# KiCad board register-motherboard.kicad_pcb (continued)
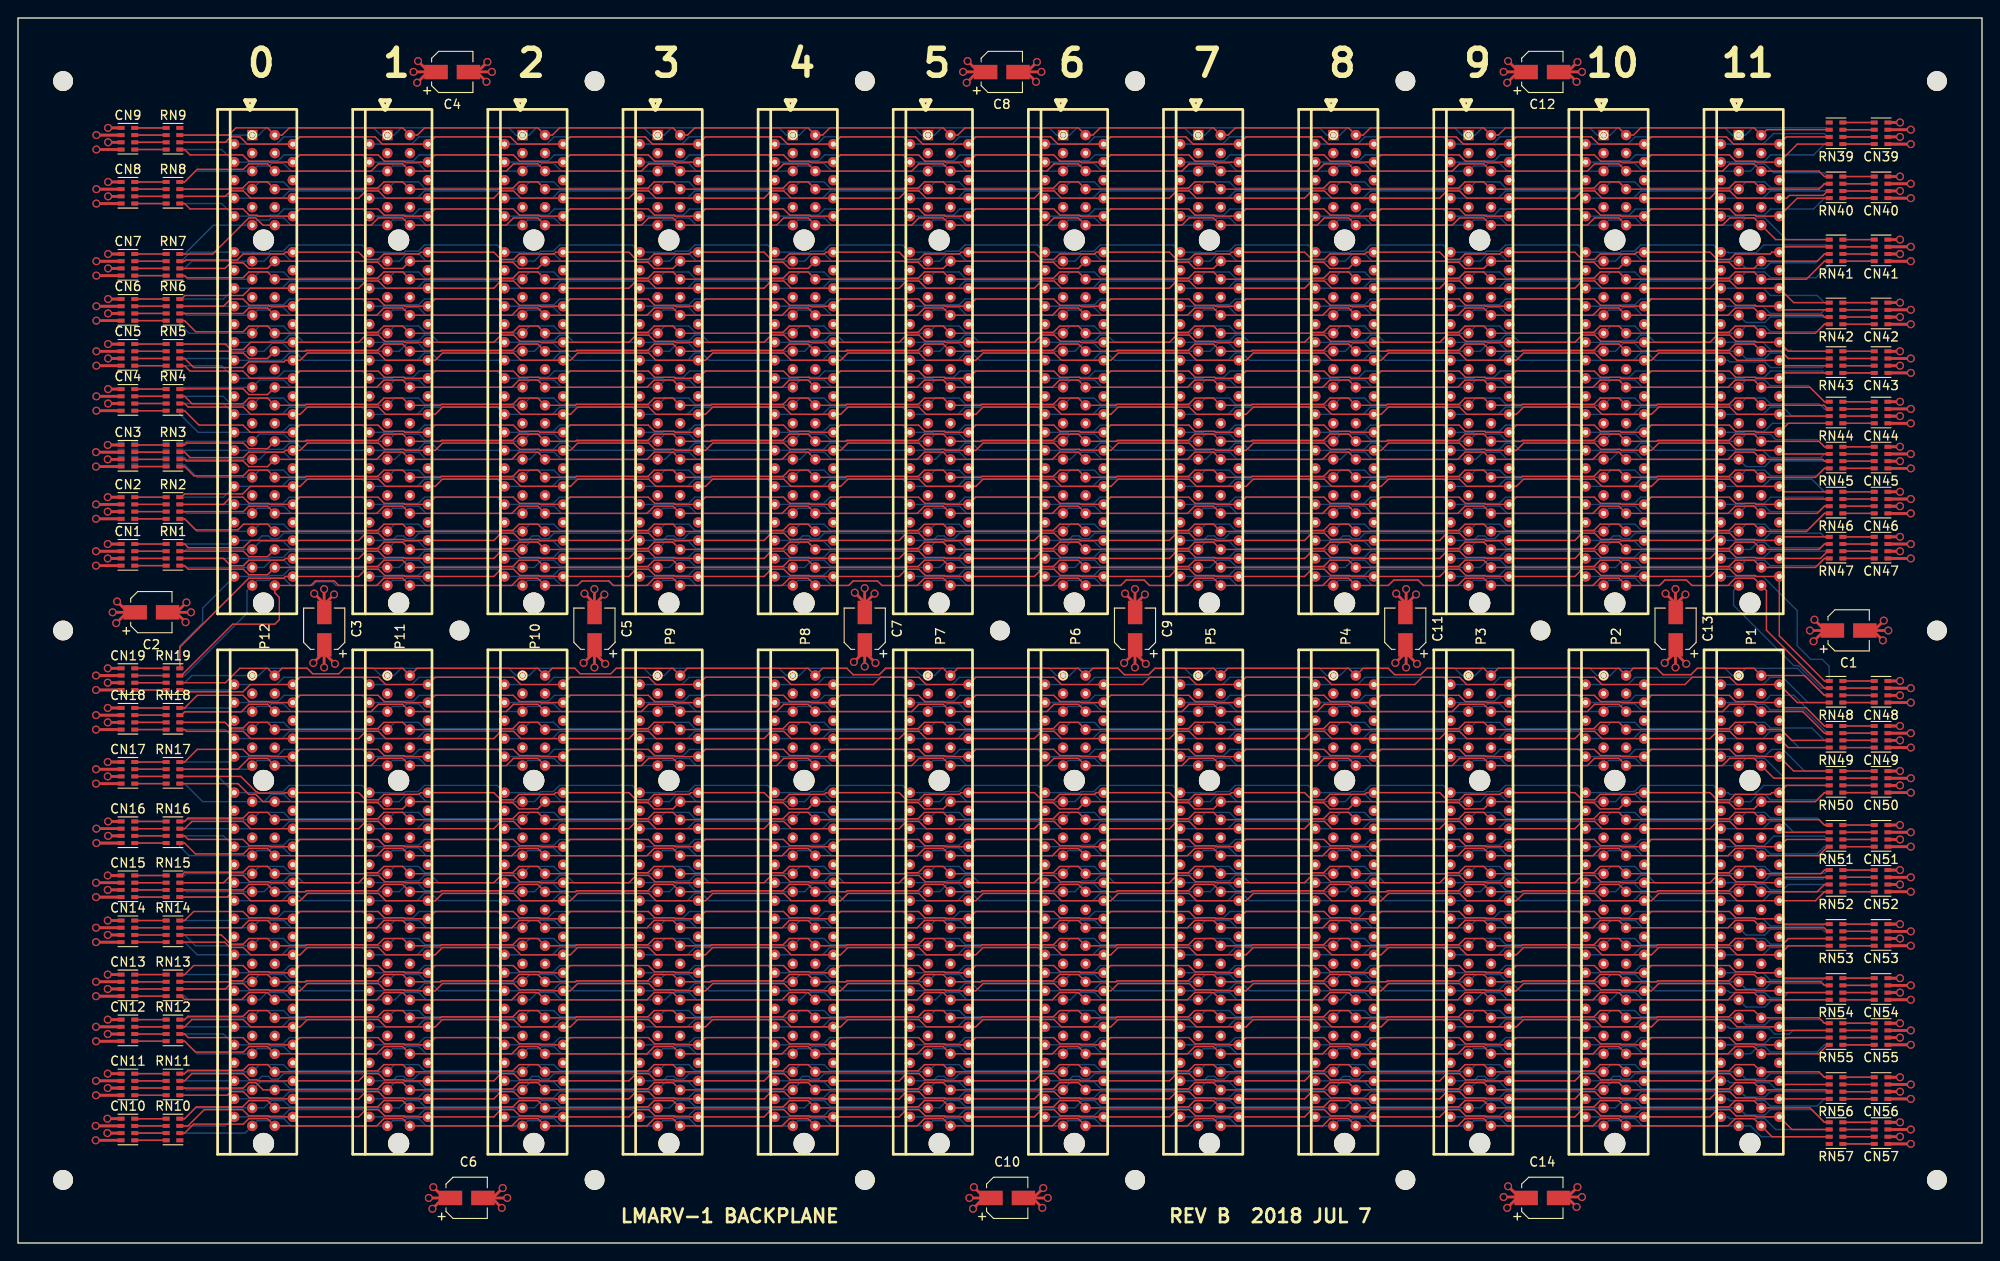
[diagram p0: board, top side]
## Routing (per net, layer and track width the routed paths; a pad name or vN(x,y) marks a point on that pad's centre or on a via; arc(x,y) is an arc through that point) (continued)
/rs2a[1]: length 204.7
  Top w0.152: RN19.8 17.96,66.15 25.61,73.8 29.49,73.8 29.69,74 P12.146 37.81,74 38.61,74.8 40.01,74.8 40.7,74.11 42.82,74.11 42.93,74 P11.146 52.81,74 53.61,74.8 55.01,74.8 55.7,74.11 57.82,74.11 57.93,74 P10.146 67.81,74 68.61,74.8 70.01,74.8 70.7,74.11 72.82,74.11 72.93,74 P9.146 82.81,74 83.61,74.8 85.01,74.8 85.7,74.11 87.82,74.11 87.93,74 P8.146 97.81,74 98.61,74.8 100.01,74.8 100.7,74.11 102.82,74.11 102.93,74 P7.146 112.81,74 113.61,74.8 115.01,74.8 115.7,74.11 117.82,74.11 117.93,74 P6.146 127.81,74 128.61,74.8 130.01,74.8 130.7,74.11 132.82,74.11 132.93,74 P5.146 142.81,74 143.61,74.8 145.01,74.8 145.7,74.11 147.82,74.11 147.93,74 P4.146 157.81,74 158.61,74.8 160.01,74.8 160.7,74.11 162.82,74.11 162.93,74 P3.146 172.81,74 173.61,74.8 175.01,74.8 175.7,74.11 177.82,74.11 177.93,74 P2.146 187.81,74 188.61,74.8 190.01,74.8 190.7,74.11 192.82,74.11 192.93,74 P1.146 195.5,67.41 200.51,62.4 RN48.5
/rs2a[2]: length 191.6
  Top w0.152: RN1.5 18.49,75.2 18.89,74.8 25.01,74.8 25.61,74.2 27.7,74.2 P12.145 38.38,75 38.49,75.11 39.92,75.11 40.61,75.8 42.7,75.8 P11.145 53.38,75 53.49,75.11 54.92,75.11 55.61,75.8 57.7,75.8 P10.145 68.38,75 68.49,75.11 69.92,75.11 70.61,75.8 72.7,75.8 P9.145 83.38,75 83.49,75.11 84.92,75.11 85.61,75.8 87.7,75.8 P8.145 98.38,75 98.49,75.11 99.92,75.11 100.61,75.8 102.7,75.8 P7.145 113.38,75 113.49,75.11 114.92,75.11 115.61,75.8 117.7,75.8 P6.145 128.38,75 128.49,75.11 129.92,75.11 130.61,75.8 132.7,75.8 P5.145 143.38,75 143.49,75.11 144.92,75.11 145.61,75.8 147.7,75.8 P4.145 158.38,75 158.49,75.11 159.92,75.11 160.61,75.8 162.7,75.8 P3.145 173.38,75 173.49,75.11 174.92,75.11 175.61,75.8 177.7,75.8 P2.145 188.38,75 188.49,75.11 189.92,75.11 190.61,75.8 192.7,75.8 P1.145 199.51,75 200.51,76 RN47.8
/rs2a[3]: length 191.4
  Top w0.152: RN47.7 200.88,76.8 200.07,76 P1.144 192.93,76 192.82,76.11 190.7,76.11 190.01,76.8 188.61,76.8 187.81,76 P2.144 177.93,76 177.82,76.11 175.7,76.11 175.01,76.8 173.61,76.8 172.81,76 P3.144 162.93,76 162.82,76.11 160.7,76.11 160.01,76.8 158.61,76.8 157.81,76 P4.144 147.93,76 147.82,76.11 145.7,76.11 145.01,76.8 143.61,76.8 142.81,76 P5.144 132.93,76 132.82,76.11 130.7,76.11 130.01,76.8 128.61,76.8 127.81,76 P6.144 117.93,76 117.82,76.11 115.7,76.11 115.01,76.8 113.61,76.8 112.81,76 P7.144 102.93,76 102.82,76.11 100.7,76.11 100.01,76.8 98.61,76.8 97.81,76 P8.144 87.93,76 87.82,76.11 85.7,76.11 85.01,76.8 83.61,76.8 82.81,76 P9.144 72.93,76 72.82,76.11 70.7,76.11 70.01,76.8 68.61,76.8 67.81,76 P10.144 57.93,76 57.82,76.11 55.7,76.11 55.01,76.8 53.61,76.8 52.81,76 P11.144 42.93,76 42.82,76.11 40.7,76.11 40.01,76.8 38.61,76.8 37.81,76 P12.144 29.69,76 29.49,75.8 25.61,75.8 25.01,75.2 23.61,75.2 22.81,76 RN1.6
/rs2a[4]: length 191.2
  Top w0.152: RN1.7 18.49,76.8 18.5,76.8 25.01,76.8 25.61,76.2 27.7,76.2 P12.143 38.38,77 38.49,77.11 39.92,77.11 40.61,77.8 42.7,77.8 P11.143 53.38,77 53.49,77.11 54.92,77.11 55.61,77.8 57.7,77.8 P10.143 68.38,77 68.49,77.11 69.92,77.11 70.61,77.8 72.7,77.8 P9.143 83.38,77 83.49,77.11 84.92,77.11 85.61,77.8 87.7,77.8 P8.143 98.38,77 98.49,77.11 99.92,77.11 100.61,77.8 102.7,77.8 P7.143 113.38,77 113.49,77.11 114.92,77.11 115.61,77.8 117.7,77.8 P6.143 128.38,77 128.49,77.11 129.92,77.11 130.61,77.8 132.7,77.8 P5.143 143.38,77 143.49,77.11 144.92,77.11 145.61,77.8 147.7,77.8 P4.143 158.38,77 158.49,77.11 159.92,77.11 160.61,77.8 162.7,77.8 P3.143 173.38,77 173.49,77.11 174.92,77.11 175.61,77.8 177.7,77.8 P2.143 188.38,77 188.49,77.11 189.92,77.11 190.61,77.8 192.7,77.8 P1.143 199.91,77 200.51,77.6 RN47.6
/~{alu_oe}: length 191.2
  Top w0.152: RN12.6 18.49,23.2 18.89,22.8 24.97,22.8 25.66,22.11 27.82,22.11 27.93,22 P12.187 31.3,22.8 39.97,22.8 40.66,22.11 42.82,22.11 42.93,22 P11.187 46.3,22.8 54.97,22.8 55.66,22.11 57.82,22.11 57.93,22 P10.187 61.3,22.8 69.97,22.8 70.66,22.11 72.82,22.11 72.93,22 P9.187 76.3,22.8 84.97,22.8 85.66,22.11 87.82,22.11 87.93,22 P8.187 91.3,22.8 99.97,22.8 100.66,22.11 102.82,22.11 102.93,22 P7.187 106.3,22.8 114.97,22.8 115.66,22.11 117.82,22.11 117.93,22 P6.187 121.3,22.8 129.97,22.8 130.66,22.11 132.82,22.11 132.93,22 P5.187 136.3,22.8 144.97,22.8 145.66,22.11 147.82,22.11 147.93,22 P4.187 151.3,22.8 159.97,22.8 160.66,22.11 162.82,22.11 162.93,22 P3.187 166.3,22.8 174.97,22.8 175.66,22.11 177.82,22.11 177.93,22 P2.187 181.3,22.8 189.97,22.8 190.66,22.11 192.82,22.11 192.93,22 P1.187 196.3,22.8 RN55.7
/~{BOOT_ALU_EN}: length 190.9
  Top w0.152: RN11.5 23.21,16.4 23.61,16.8 25.01,16.8 25.7,16.11 27.82,16.11 27.93,16 P12.193 37.81,16 38.61,16.8 40.01,16.8 40.7,16.11 42.82,16.11 42.93,16 P11.193 52.81,16 53.61,16.8 55.01,16.8 55.7,16.11 57.82,16.11 57.93,16 P10.193 67.81,16 68.61,16.8 70.01,16.8 70.7,16.11 72.82,16.11 72.93,16 P9.193 82.81,16 83.61,16.8 85.01,16.8 85.7,16.11 87.82,16.11 87.93,16 P8.193 97.81,16 98.61,16.8 100.01,16.8 100.7,16.11 102.82,16.11 102.93,16 P7.193 112.81,16 113.61,16.8 115.01,16.8 115.7,16.11 117.82,16.11 117.93,16 P6.193 127.81,16 128.61,16.8 130.01,16.8 130.7,16.11 132.82,16.11 132.93,16 P5.193 142.81,16 143.61,16.8 145.01,16.8 145.7,16.11 147.82,16.11 147.93,16 P4.193 157.81,16 158.61,16.8 160.01,16.8 160.7,16.11 162.82,16.11 162.93,16 P3.193 172.81,16 173.61,16.8 175.01,16.8 175.7,16.11 177.82,16.11 177.93,16 P2.193 187.81,16 188.61,16.8 190.01,16.8 190.7,16.11 192.82,16.11 192.93,16 P1.193 RN56.8
/~{BOOT_RST}: length 192.1
  Top w0.152: RN57.6 196.9,12.6 P1.195 192.93,14 192.82,14.11 190.7,14.11 190.01,14.8 188.61,14.8 187.81,14 P2.195 177.93,14 177.82,14.11 175.7,14.11 175.01,14.8 173.61,14.8 172.81,14 P3.195 162.93,14 162.82,14.11 160.7,14.11 160.01,14.8 158.61,14.8 157.81,14 P4.195 147.93,14 147.82,14.11 145.7,14.11 145.01,14.8 143.61,14.8 142.81,14 P5.195 132.93,14 132.82,14.11 130.7,14.11 130.01,14.8 128.61,14.8 127.81,14 P6.195 117.93,14 117.82,14.11 115.7,14.11 115.01,14.8 113.61,14.8 112.81,14 P7.195 102.93,14 102.82,14.11 100.7,14.11 100.01,14.8 98.61,14.8 97.81,14 P8.195 87.93,14 87.82,14.11 85.7,14.11 85.01,14.8 83.61,14.8 82.81,14 P9.195 72.93,14 72.82,14.11 70.7,14.11 70.01,14.8 68.61,14.8 67.81,14 P10.195 57.93,14 57.82,14.11 55.7,14.11 55.01,14.8 53.61,14.8 52.81,14 P11.195 42.93,14 42.82,14.11 40.7,14.11 40.01,14.8 38.61,14.8 37.81,14 P12.195 27.93,14 27.82,14.11 25.62,14.11 24.93,14.8 20.66,14.8 18.86,13 RN10.7
/~{BOOT_WR}: length 191.9
  Top w0.152: RN10.6 18.49,12.2 19.49,13.2 25.01,13.2 25.61,13.8 27.7,13.8 P12.196 39.81,13 40.61,13.8 42.7,13.8 P11.196 54.81,13 55.61,13.8 57.7,13.8 P10.196 69.81,13 70.61,13.8 72.7,13.8 P9.196 84.81,13 85.61,13.8 87.7,13.8 P8.196 99.81,13 100.61,13.8 102.7,13.8 P7.196 114.81,13 115.61,13.8 117.7,13.8 P6.196 129.81,13 130.61,13.8 132.7,13.8 P5.196 144.81,13 145.61,13.8 147.7,13.8 P4.196 159.81,13 160.61,13.8 162.7,13.8 P3.196 174.81,13 175.61,13.8 177.7,13.8 P2.196 189.81,13 190.61,13.8 192.7,13.8 P1.196 194.7,11.8 RN57.7
/~{rd_bhh}: length 191.4
  Top w0.152: RN43.6 196.49,98.2 195.69,99 P1.121 192.7,99.8 190.61,99.8 189.92,99.11 181.99,99.11 181.88,99 P2.121 177.7,99.8 175.61,99.8 174.92,99.11 166.99,99.11 166.88,99 P3.121 162.7,99.8 160.61,99.8 159.92,99.11 151.99,99.11 151.88,99 P4.121 147.7,99.8 145.61,99.8 144.92,99.11 136.99,99.11 136.88,99 P5.121 132.7,99.8 130.61,99.8 129.92,99.11 121.99,99.11 121.88,99 P6.121 117.7,99.8 115.61,99.8 114.92,99.11 106.99,99.11 106.88,99 P7.121 102.7,99.8 100.61,99.8 99.92,99.11 91.99,99.11 91.88,99 P8.121 87.7,99.8 85.61,99.8 84.92,99.11 76.99,99.11 76.88,99 P9.121 72.7,99.8 70.61,99.8 69.92,99.11 61.99,99.11 61.88,99 P10.121 57.7,99.8 55.61,99.8 54.92,99.11 46.99,99.11 46.88,99 P11.121 42.7,99.8 40.61,99.8 39.92,99.11 31.99,99.11 31.88,99 P12.121 27.7,98.2 25.61,98.2 25.01,98.8 23.58,98.8 23.38,99 RN5.7
/~{rd_bhl}: length 191.4
  Top w0.152: RN43.7 196.1,97.4 P1.122 190.81,98 190.01,98.8 182.12,98.8 181.31,98 P2.122 175.81,98 175.01,98.8 167.12,98.8 166.31,98 P3.122 160.81,98 160.01,98.8 152.12,98.8 151.31,98 P4.122 145.81,98 145.01,98.8 137.12,98.8 136.31,98 P5.122 130.81,98 130.01,98.8 122.12,98.8 121.31,98 P6.122 115.81,98 115.01,98.8 107.12,98.8 106.31,98 P7.122 100.81,98 100.01,98.8 92.12,98.8 91.31,98 P8.122 85.81,98 85.01,98.8 77.12,98.8 76.31,98 P9.122 70.81,98 70.01,98.8 62.12,98.8 61.31,98 P10.122 55.81,98 55.01,98.8 47.12,98.8 46.31,98 P11.122 40.81,98 40.01,98.8 32.12,98.8 31.31,98 P12.122 29.69,98 29.52,97.83 25.6,97.83 24.97,97.2 19.5,97.2 18.49,98.2 RN5.6
/~{rd_blh}: length 191.4
  Top w0.152: RN14.5 22.94,33.4 23.54,32.8 25.01,32.8 25.81,32 P12.177 31.31,32 32.12,32.8 40.01,32.8 40.81,32 P11.177 46.31,32 47.12,32.8 55.01,32.8 55.81,32 P10.177 61.31,32 62.12,32.8 70.01,32.8 70.81,32 P9.177 76.31,32 77.12,32.8 85.01,32.8 85.81,32 P8.177 91.31,32 92.12,32.8 100.01,32.8 100.81,32 P7.177 106.31,32 107.12,32.8 115.01,32.8 115.81,32 P6.177 121.31,32 122.12,32.8 130.01,32.8 130.81,32 P5.177 136.31,32 137.12,32.8 145.01,32.8 145.81,32 P4.177 151.31,32 152.12,32.8 160.01,32.8 160.81,32 P3.177 166.31,32 167.12,32.8 175.01,32.8 175.81,32 P2.177 181.31,32 182.12,32.8 190.01,32.8 190.81,32 P1.177 196.5,33 RN53.8
/~{rd_bll}: length 191.4
  Top w0.152: RN13.8 18.49,29.8 19.5,30.8 24.97,30.8 25.66,30.11 27.82,30.11 27.93,30 P12.179 31.3,30.8 39.97,30.8 40.66,30.11 42.82,30.11 42.93,30 P11.179 46.3,30.8 54.97,30.8 55.66,30.11 57.82,30.11 57.93,30 P10.179 61.3,30.8 69.97,30.8 70.66,30.11 72.82,30.11 72.93,30 P9.179 76.3,30.8 84.97,30.8 85.66,30.11 87.82,30.11 87.93,30 P8.179 91.3,30.8 99.97,30.8 100.66,30.11 102.82,30.11 102.93,30 P7.179 106.3,30.8 114.97,30.8 115.66,30.11 117.82,30.11 117.93,30 P6.179 121.3,30.8 129.97,30.8 130.66,30.11 132.82,30.11 132.93,30 P5.179 136.3,30.8 144.97,30.8 145.66,30.11 147.82,30.11 147.93,30 P4.179 151.3,30.8 159.97,30.8 160.66,30.11 162.82,30.11 162.93,30 P3.179 166.3,30.8 174.97,30.8 175.66,30.11 177.82,30.11 177.93,30 P2.179 181.3,30.8 189.97,30.8 190.66,30.11 192.82,30.11 192.93,30 P1.179 196.1,29.4 RN54.5
/~{rd_wr}: length 191.2
  Top w0.152: RN5.5 18.49,97.4 19.09,96.8 24.97,96.8 25.77,96 P12.124 31.3,96.8 39.97,96.8 40.66,96.11 42.82,96.11 42.93,96 P11.124 46.3,96.8 54.97,96.8 55.66,96.11 57.82,96.11 57.93,96 P10.124 61.3,96.8 69.97,96.8 70.66,96.11 72.82,96.11 72.93,96 P9.124 76.3,96.8 84.97,96.8 85.66,96.11 87.82,96.11 87.93,96 P8.124 91.3,96.8 99.97,96.8 100.66,96.11 102.82,96.11 102.93,96 P7.124 106.3,96.8 114.97,96.8 115.66,96.11 117.82,96.11 117.93,96 P6.124 121.3,96.8 129.97,96.8 130.66,96.11 132.82,96.11 132.93,96 P5.124 136.3,96.8 144.97,96.8 145.66,96.11 147.82,96.11 147.93,96 P4.124 151.3,96.8 159.97,96.8 160.66,96.11 162.82,96.11 162.93,96 P3.124 166.3,96.8 174.97,96.8 175.66,96.11 177.82,96.11 177.93,96 P2.124 181.3,96.8 189.97,96.8 190.66,96.11 192.82,96.11 192.93,96 P1.124 196.1,96.6 RN43.8
/~{rs1_bhh}: length 191.8
  Top w0.152: RN4.5 18.49,92.4 20.09,90.8 24.97,90.8 25.77,90 P12.130 31.3,90.8 39.97,90.8 40.66,90.11 42.82,90.11 42.93,90 P11.130 46.3,90.8 54.97,90.8 55.66,90.11 57.82,90.11 57.93,90 P10.130 61.3,90.8 69.97,90.8 70.66,90.11 72.82,90.11 72.93,90 P9.130 76.3,90.8 84.97,90.8 85.66,90.11 87.82,90.11 87.93,90 P8.130 91.3,90.8 99.97,90.8 100.66,90.11 102.82,90.11 102.93,90 P7.130 106.3,90.8 114.97,90.8 115.66,90.11 117.82,90.11 117.93,90 P6.130 121.3,90.8 129.97,90.8 130.66,90.11 132.82,90.11 132.93,90 P5.130 136.3,90.8 144.97,90.8 145.66,90.11 147.82,90.11 147.93,90 P4.130 151.3,90.8 159.97,90.8 160.66,90.11 162.82,90.11 162.93,90 P3.130 166.3,90.8 174.97,90.8 175.66,90.11 177.82,90.11 177.93,90 P2.130 181.3,90.8 189.97,90.8 190.66,90.11 192.82,90.11 192.93,90 P1.130 196.5,91 RN44.8
/~{rs1_bhl}: length 191.3
  Top w0.152: RN3.8 18.49,88.6 18.7,88.8 25.01,88.8 25.61,88.2 27.7,88.2 P12.131 31.88,89 31.99,89.11 39.92,89.11 40.61,89.8 42.7,89.8 P11.131 46.88,89 46.99,89.11 54.92,89.11 55.61,89.8 57.7,89.8 P10.131 61.88,89 61.99,89.11 69.92,89.11 70.61,89.8 72.7,89.8 P9.131 76.88,89 76.99,89.11 84.92,89.11 85.61,89.8 87.7,89.8 P8.131 91.88,89 91.99,89.11 99.92,89.11 100.61,89.8 102.7,89.8 P7.131 106.88,89 106.99,89.11 114.92,89.11 115.61,89.8 117.7,89.8 P6.131 121.88,89 121.99,89.11 129.92,89.11 130.61,89.8 132.7,89.8 P5.131 136.88,89 136.99,89.11 144.92,89.11 145.61,89.8 147.7,89.8 P4.131 151.88,89 151.99,89.11 159.92,89.11 160.61,89.8 162.7,89.8 P3.131 166.88,89 166.99,89.11 174.92,89.11 175.61,89.8 177.7,89.8 P2.131 181.88,89 181.99,89.11 189.92,89.11 190.61,89.8 192.7,89.8 P1.131 199.91,89 200.51,88.4 RN45.5
/~{rs1_blh}: length 191.2
  Top w0.152: RN13.5 18.12,27.4 18.49,27.03 24.84,27.03 25.61,27.8 27.7,27.8 P12.182 39.81,27 40.61,27.8 42.7,27.8 P11.182 54.81,27 55.61,27.8 57.7,27.8 P10.182 69.81,27 70.61,27.8 72.7,27.8 P9.182 84.81,27 85.61,27.8 87.7,27.8 P8.182 99.81,27 100.61,27.8 102.7,27.8 P7.182 114.81,27 115.61,27.8 117.7,27.8 P6.182 129.81,27 130.61,27.8 132.7,27.8 P5.182 144.81,27 145.61,27.8 147.7,27.8 P4.182 159.81,27 160.61,27.8 162.7,27.8 P3.182 174.81,27 175.61,27.8 177.7,27.8 P2.182 189.81,27 190.61,27.8 192.7,27.8 P1.182 RN54.8
/~{rs1_bll}: length 191.4
  Top w0.152: RN12.8 18.49,24.8 18.86,25.17 24.98,25.17 25.61,25.8 27.7,25.8 P12.184 31.88,25 31.99,25.11 39.92,25.11 40.61,25.8 42.7,25.8 P11.184 46.88,25 46.99,25.11 54.92,25.11 55.61,25.8 57.7,25.8 P10.184 61.88,25 61.99,25.11 69.92,25.11 70.61,25.8 72.7,25.8 P9.184 76.88,25 76.99,25.11 84.92,25.11 85.61,25.8 87.7,25.8 P8.184 91.88,25 91.99,25.11 99.92,25.11 100.61,25.8 102.7,25.8 P7.184 106.88,25 106.99,25.11 114.92,25.11 115.61,25.8 117.7,25.8 P6.184 121.88,25 121.99,25.11 129.92,25.11 130.61,25.8 132.7,25.8 P5.184 136.88,25 136.99,25.11 144.92,25.11 145.61,25.8 147.7,25.8 P4.184 151.88,25 151.99,25.11 159.92,25.11 160.61,25.8 162.7,25.8 P3.184 166.88,25 166.99,25.11 174.92,25.11 175.61,25.8 177.7,25.8 P2.184 181.88,25 181.99,25.11 189.92,25.11 190.61,25.8 192.7,25.8 P1.184 199.91,25 200.51,24.4 RN55.5
/~{rs1_rd}: length 191.2
  Top w0.152: RN3.7 18.49,87.8 19.1,87.2 25.01,87.2 25.61,87.8 29.49,87.8 29.69,88 P12.132 31.31,88 32.12,88.8 40.01,88.8 40.7,88.11 42.82,88.11 42.93,88 P11.132 46.31,88 47.12,88.8 55.01,88.8 55.7,88.11 57.82,88.11 57.93,88 P10.132 61.31,88 62.12,88.8 70.01,88.8 70.7,88.11 72.82,88.11 72.93,88 P9.132 76.31,88 77.12,88.8 85.01,88.8 85.7,88.11 87.82,88.11 87.93,88 P8.132 91.31,88 92.12,88.8 100.01,88.8 100.7,88.11 102.82,88.11 102.93,88 P7.132 106.31,88 107.12,88.8 115.01,88.8 115.7,88.11 117.82,88.11 117.93,88 P6.132 121.31,88 122.12,88.8 130.01,88.8 130.7,88.11 132.82,88.11 132.93,88 P5.132 136.31,88 137.12,88.8 145.01,88.8 145.7,88.11 147.82,88.11 147.93,88 P4.132 151.31,88 152.12,88.8 160.01,88.8 160.7,88.11 162.82,88.11 162.93,88 P3.132 166.31,88 167.12,88.8 175.01,88.8 175.7,88.11 177.82,88.11 177.93,88 P2.132 181.31,88 182.12,88.8 190.01,88.8 190.7,88.11 192.82,88.11 192.93,88 P1.132 195.9,87.6 RN45.6
/~{rs2_bhh}: length 191.7
  Top w0.152: RN44.5 200.51,93.4 198.91,95 P1.125 192.7,95.8 190.61,95.8 189.81,95 P2.125 177.7,95.8 175.61,95.8 174.81,95 P3.125 162.7,95.8 160.61,95.8 159.81,95 P4.125 147.7,95.8 145.61,95.8 144.81,95 P5.125 132.7,95.8 130.61,95.8 129.81,95 P6.125 117.7,95.8 115.61,95.8 114.81,95 P7.125 102.7,95.8 100.61,95.8 99.81,95 P8.125 87.7,95.8 85.61,95.8 84.81,95 P9.125 72.7,95.8 70.61,95.8 69.81,95 P10.125 57.7,95.8 55.61,95.8 54.81,95 P11.125 42.7,95.8 40.61,95.8 39.81,95 P12.125 27.7,94.2 25.61,94.2 24.98,94.83 18.52,94.83 18.49,94.8 RN4.8
/~{rs2_bhl}: length 191.5
  Top w0.152: RN44.6 200.88,92.6 200.47,93 P1.127 192.7,93.8 190.61,93.8 189.92,93.11 181.99,93.11 181.88,93 P2.127 177.7,93.8 175.61,93.8 174.92,93.11 166.99,93.11 166.88,93 P3.127 162.7,93.8 160.61,93.8 159.92,93.11 151.99,93.11 151.88,93 P4.127 147.7,93.8 145.61,93.8 144.92,93.11 136.99,93.11 136.88,93 P5.127 132.7,93.8 130.61,93.8 129.92,93.11 121.99,93.11 121.88,93 P6.127 117.7,93.8 115.61,93.8 114.92,93.11 106.99,93.11 106.88,93 P7.127 102.7,93.8 100.61,93.8 99.92,93.11 91.99,93.11 91.88,93 P8.127 87.7,93.8 85.61,93.8 84.92,93.11 76.99,93.11 76.88,93 P9.127 72.7,93.8 70.61,93.8 69.92,93.11 61.99,93.11 61.88,93 P10.127 57.7,93.8 55.61,93.8 54.92,93.11 46.99,93.11 46.88,93 P11.127 42.7,93.8 40.61,93.8 39.92,93.11 31.99,93.11 31.88,93 P12.127 27.7,93.8 25.61,93.8 24.98,93.17 19.32,93.17 18.49,94 RN4.7
/~{rs2_blh}: length 191.2
  Top w0.152: RN54.6 200.51,28.6 200.11,29 P1.180 192.7,29.8 190.61,29.8 189.92,29.11 181.99,29.11 181.88,29 P2.180 177.7,29.8 175.61,29.8 174.92,29.11 166.99,29.11 166.88,29 P3.180 162.7,29.8 160.61,29.8 159.92,29.11 151.99,29.11 151.88,29 P4.180 147.7,29.8 145.61,29.8 144.92,29.11 136.99,29.11 136.88,29 P5.180 132.7,29.8 130.61,29.8 129.92,29.11 121.99,29.11 121.88,29 P6.180 117.7,29.8 115.61,29.8 114.92,29.11 106.99,29.11 106.88,29 P7.180 102.7,29.8 100.61,29.8 99.92,29.11 91.99,29.11 91.88,29 P8.180 87.7,29.8 85.61,29.8 84.92,29.11 76.99,29.11 76.88,29 P9.180 72.7,29.8 70.61,29.8 69.92,29.11 61.99,29.11 61.88,29 P10.180 57.7,29.8 55.61,29.8 54.92,29.11 46.99,29.11 46.88,29 P11.180 42.7,29.8 40.61,29.8 39.92,29.11 31.99,29.11 31.88,29 P12.180 27.7,29.8 25.61,29.8 24.92,29.11 23.49,29.11 23.38,29 RN13.7
/~{rs2_bll}: length 191.1
  Top w0.152: RN13.6 23.01,28.2 23.61,28.8 25.03,28.8 25.72,28.11 27.82,28.11 27.93,28 P12.181 31.31,28 32.12,28.8 40.01,28.8 40.7,28.11 42.82,28.11 42.93,28 P11.181 46.31,28 47.12,28.8 55.01,28.8 55.7,28.11 57.82,28.11 57.93,28 P10.181 61.31,28 62.12,28.8 70.01,28.8 70.7,28.11 72.82,28.11 72.93,28 P9.181 76.31,28 77.12,28.8 85.01,28.8 85.7,28.11 87.82,28.11 87.93,28 P8.181 91.31,28 92.12,28.8 100.01,28.8 100.7,28.11 102.82,28.11 102.93,28 P7.181 106.31,28 107.12,28.8 115.01,28.8 115.7,28.11 117.82,28.11 117.93,28 P6.181 121.31,28 122.12,28.8 130.01,28.8 130.7,28.11 132.82,28.11 132.93,28 P5.181 136.31,28 137.12,28.8 145.01,28.8 145.7,28.11 147.82,28.11 147.93,28 P4.181 151.31,28 152.12,28.8 160.01,28.8 160.7,28.11 162.82,28.11 162.93,28 P3.181 166.31,28 167.12,28.8 175.01,28.8 175.7,28.11 177.82,28.11 177.93,28 P2.181 181.31,28 182.12,28.8 190.01,28.8 190.7,28.11 192.82,28.11 192.93,28 P1.181 195.7,27.8 RN54.7
/~{rs2_rd}: length 191
  Top w0.152: RN4.6 18.49,93.2 18.89,92.8 25.01,92.8 25.81,92 P12.128 31.31,92 32.12,92.8 40.01,92.8 40.81,92 P11.128 46.31,92 47.12,92.8 55.01,92.8 55.81,92 P10.128 61.31,92 62.12,92.8 70.01,92.8 70.81,92 P9.128 76.31,92 77.12,92.8 85.01,92.8 85.81,92 P8.128 91.31,92 92.12,92.8 100.01,92.8 100.81,92 P7.128 106.31,92 107.12,92.8 115.01,92.8 115.81,92 P6.128 121.31,92 122.12,92.8 130.01,92.8 130.81,92 P5.128 136.31,92 137.12,92.8 145.01,92.8 145.81,92 P4.128 151.31,92 152.12,92.8 160.01,92.8 160.81,92 P3.128 166.31,92 167.12,92.8 175.01,92.8 175.81,92 P2.128 181.31,92 182.12,92.8 190.01,92.8 190.81,92 P1.128 195.7,91.8 RN44.7
Net-(CN1-Pad5): length 3.5
  Top w0.152: 12.92,75.2 16.4,75.2
Net-(CN1-Pad6): length 3.5
  Top w0.152: 12.92,76 16.4,76
Net-(CN1-Pad7): length 3.5
  Top w0.152: 12.92,76.8 16.4,76.8
Net-(CN1-Pad8): length 3.5
  Top w0.152: 16.4,77.6 12.92,77.6
Net-(CN2-Pad5): length 3.5
  Top w0.152: 12.92,80.4 16.4,80.4
Net-(CN2-Pad6): length 3.5
  Top w0.152: 12.92,81.2 16.4,81.2
Net-(CN2-Pad7): length 3.5
  Top w0.152: 12.92,82 16.4,82
Net-(CN2-Pad8): length 3.5
  Top w0.152: 12.92,82.8 16.4,82.8
Net-(CN3-Pad5): length 3.5
  Top w0.152: 12.92,86.2 16.4,86.2
Net-(CN3-Pad6): length 3.5
  Top w0.152: 12.92,87 16.4,87
Net-(CN3-Pad7): length 3.5
  Top w0.152: 12.92,87.8 16.4,87.8
Net-(CN3-Pad8): length 3.5
  Top w0.152: 16.4,88.6 12.92,88.6
Net-(CN4-Pad5): length 3.5
  Top w0.152: CN4.5 RN4.4
Net-(CN4-Pad6): length 3.5
  Top w0.152: CN4.6 RN4.3
Net-(CN4-Pad7): length 3.5
  Top w0.152: CN4.7 RN4.2
Net-(CN4-Pad8): length 3.5
  Top w0.152: RN4.1 CN4.8
Net-(CN5-Pad5): length 3.5
  Top w0.152: CN5.5 RN5.4
Net-(CN5-Pad6): length 3.5
  Top w0.152: CN5.6 RN5.3
Net-(CN5-Pad7): length 3.5
  Top w0.152: CN5.7 RN5.2
Net-(CN5-Pad8): length 3.5
  Top w0.152: CN5.8 RN5.1
Net-(CN6-Pad5): length 3.5
  Top w0.152: CN6.5 RN6.4
Net-(CN6-Pad6): length 3.5
  Top w0.152: CN6.6 RN6.3
Net-(CN6-Pad7): length 3.5
  Top w0.152: CN6.7 RN6.2
Net-(CN6-Pad8): length 3.5
  Top w0.152: CN6.8 RN6.1
Net-(CN7-Pad5): length 3.5
  Top w0.152: CN7.5 RN7.4
Net-(CN7-Pad6): length 3.5
  Top w0.152: CN7.6 RN7.3
Net-(CN7-Pad7): length 3.5
  Top w0.152: CN7.7 RN7.2
Net-(CN7-Pad8): length 3.5
  Top w0.152: CN7.8 RN7.1
Net-(CN8-Pad5): length 3.5
  Top w0.152: CN8.5 RN8.4
Net-(CN8-Pad6): length 3.5
  Top w0.152: CN8.6 RN8.3
Net-(CN8-Pad7): length 3.5
  Top w0.152: CN8.7 RN8.2
Net-(CN8-Pad8): length 3.5
  Top w0.152: RN8.1 CN8.8
Net-(CN9-Pad5): length 3.5
  Top w0.152: CN9.5 RN9.4
Net-(CN9-Pad6): length 3.5
  Top w0.152: CN9.6 RN9.3
Net-(CN9-Pad7): length 3.5
  Top w0.152: CN9.7 RN9.2
Net-(CN9-Pad8): length 3.5
  Top w0.152: CN9.8 RN9.1
Net-(CN10-Pad5): length 3.5
  Top w0.152: 12.88,11.4 16.36,11.4
Net-(CN10-Pad6): length 3.5
  Top w0.152: 12.88,12.2 16.36,12.2
Net-(CN10-Pad7): length 3.5
  Top w0.152: 12.88,13 16.36,13
Net-(CN10-Pad8): length 3.5
  Top w0.152: 16.36,13.8 12.88,13.8
Net-(CN11-Pad5): length 3.5
  Top w0.152: 12.92,16.4 16.4,16.4
Net-(CN11-Pad6): length 3.5
  Top w0.152: 12.92,17.2 16.4,17.2
Net-(CN11-Pad7): length 3.5
  Top w0.152: 12.92,18 16.4,18
Net-(CN11-Pad8): length 3.5
  Top w0.152: 12.92,18.8 16.4,18.8
Net-(CN12-Pad5): length 3.5
  Top w0.152: 12.92,22.4 16.4,22.4
Net-(CN12-Pad6): length 3.5
  Top w0.152: 12.92,23.2 16.4,23.2
Net-(CN12-Pad7): length 3.5
  Top w0.152: 12.92,24 16.4,24
Net-(CN12-Pad8): length 3.5
  Top w0.152: 12.92,24.8 16.4,24.8
Net-(CN13-Pad5): length 3.5
  Top w0.152: 12.92,27.4 16.4,27.4
Net-(CN13-Pad6): length 3.5
  Top w0.152: 12.92,28.2 16.4,28.2
Net-(CN13-Pad7): length 3.5
  Top w0.152: 12.92,29 16.4,29
Net-(CN13-Pad8): length 3.5
  Top w0.152: 12.92,29.8 16.4,29.8
Net-(CN14-Pad5): length 3.5
  Top w0.152: 12.92,33.4 16.4,33.4
Net-(CN14-Pad6): length 3.5
  Top w0.152: 12.92,34.2 16.4,34.2
Net-(CN14-Pad7): length 3.5
  Top w0.152: 12.92,35 16.4,35
Net-(CN14-Pad8): length 3.5
  Top w0.152: 12.92,35.8 16.4,35.8
Net-(CN15-Pad5): length 3.5
  Top w0.152: 12.92,38.4 16.4,38.4
Net-(CN15-Pad6): length 3.5
  Top w0.152: 12.92,39.2 16.4,39.2
Net-(CN15-Pad7): length 3.5
  Top w0.152: 12.92,40 16.4,40
Net-(CN15-Pad8): length 3.5
  Top w0.152: 12.92,40.8 16.4,40.8
Net-(CN16-Pad5): length 3.5
  Top w0.152: CN16.5 RN16.4
Net-(CN16-Pad6): length 3.5
  Top w0.152: CN16.6 RN16.3
Net-(CN16-Pad7): length 3.5
  Top w0.152: CN16.7 RN16.2
Net-(CN16-Pad8): length 3.5
  Top w0.152: CN16.8 RN16.1
Net-(CN17-Pad5): length 3.5
  Top w0.152: 12.92,51 16.4,51
Net-(CN17-Pad6): length 3.5
  Top w0.152: 12.92,51.8 16.4,51.8
Net-(CN17-Pad7): length 3.5
  Top w0.152: 12.92,52.6 16.4,52.6
Net-(CN17-Pad8): length 3.5
  Top w0.152: 16.4,53.4 12.92,53.4
Net-(CN18-Pad5): length 3.5
  Top w0.152: 12.92,57 16.4,57
Net-(CN18-Pad6): length 3.5
  Top w0.152: 12.92,57.8 16.4,57.8
Net-(CN18-Pad7): length 3.5
  Top w0.152: 12.92,58.6 16.4,58.6
Net-(CN18-Pad8): length 3.5
  Top w0.152: 16.4,59.4 12.92,59.4
Net-(CN19-Pad5): length 3.5
  Top w0.152: 12.92,61.4 16.4,61.4
Net-(CN19-Pad6): length 3.5
  Top w0.152: 12.92,62.2 16.4,62.2
Net-(CN19-Pad7): length 3.5
  Top w0.152: 12.92,63 16.4,63
Net-(CN19-Pad8): length 3.5
  Top w0.152: 12.92,63.8 16.4,63.8
Net-(CN20-Pad5): length 3.5
  Bottom w0.152: 12.92,77.6 16.4,77.6
Net-(CN20-Pad6): length 3.5
  Bottom w0.152: 12.92,76.8 16.4,76.8
Net-(CN20-Pad7): length 3.5
  Bottom w0.152: 12.92,76 16.4,76
Net-(CN20-Pad8): length 3.5
  Bottom w0.152: 12.92,75.2 16.4,75.2
Net-(CN21-Pad5): length 3.5
  Bottom w0.152: 12.92,82.8 16.4,82.8
Net-(CN21-Pad6): length 3.5
  Bottom w0.152: 12.92,82 16.4,82
Net-(CN21-Pad7): length 3.5
  Bottom w0.152: 12.92,81.2 16.4,81.2
Net-(CN21-Pad8): length 3.5
  Bottom w0.152: 16.4,80.4 12.92,80.4
Net-(CN22-Pad5): length 3.5
  Bottom w0.152: 12.92,88.6 16.4,88.6
Net-(CN22-Pad6): length 3.5
  Bottom w0.152: 12.92,87.8 16.4,87.8
Net-(CN22-Pad7): length 3.5
  Bottom w0.152: 12.92,87 16.4,87
Net-(CN22-Pad8): length 3.5
  Bottom w0.152: 12.92,86.2 16.4,86.2
Net-(CN23-Pad5): length 3.5
  Bottom w0.152: CN23.5 RN23.4
Net-(CN23-Pad6): length 3.5
  Bottom w0.152: CN23.6 RN23.3
Net-(CN23-Pad7): length 3.5
  Bottom w0.152: CN23.7 RN23.2
Net-(CN23-Pad8): length 3.5
  Bottom w0.152: CN23.8 RN23.1
Net-(CN24-Pad5): length 3.5
  Bottom w0.152: CN24.5 RN24.4
Net-(CN24-Pad6): length 3.5
  Bottom w0.152: CN24.6 RN24.3
Net-(CN24-Pad7): length 3.5
  Bottom w0.152: CN24.7 RN24.2
Net-(CN24-Pad8): length 3.5
  Bottom w0.152: CN24.8 RN24.1
Net-(CN25-Pad5): length 3.5
  Bottom w0.152: CN25.5 RN25.4
Net-(CN25-Pad6): length 3.5
  Bottom w0.152: CN25.6 RN25.3
Net-(CN25-Pad7): length 3.5
  Bottom w0.152: CN25.7 RN25.2
Net-(CN25-Pad8): length 3.5
  Bottom w0.152: CN25.8 RN25.1
Net-(CN26-Pad5): length 3.5
  Bottom w0.152: CN26.5 RN26.4
Net-(CN26-Pad6): length 3.5
  Bottom w0.152: CN26.6 RN26.3
Net-(CN26-Pad7): length 3.5
  Bottom w0.152: CN26.7 RN26.2
Net-(CN26-Pad8): length 3.5
  Bottom w0.152: RN26.1 CN26.8
Net-(CN27-Pad5): length 3.5
  Bottom w0.152: CN27.5 RN27.4
Net-(CN27-Pad6): length 3.5
  Bottom w0.152: CN27.6 RN27.3
Net-(CN27-Pad7): length 3.5
  Bottom w0.152: CN27.7 RN27.2
Net-(CN27-Pad8): length 3.5
  Bottom w0.152: RN27.1 CN27.8
Net-(CN28-Pad5): length 3.5
  Bottom w0.152: CN28.5 RN28.4
Net-(CN28-Pad6): length 3.5
  Bottom w0.152: CN28.6 RN28.3
Net-(CN28-Pad7): length 3.5
  Bottom w0.152: CN28.7 RN28.2
Net-(CN28-Pad8): length 3.5
  Bottom w0.152: RN28.1 CN28.8
Net-(CN29-Pad5): length 3.5
  Bottom w0.152: 12.88,13.8 16.36,13.8
Net-(CN29-Pad6): length 3.5
  Bottom w0.152: 12.88,13 16.36,13
Net-(CN29-Pad7): length 3.5
  Bottom w0.152: 12.88,12.2 16.36,12.2
Net-(CN29-Pad8): length 3.5
  Bottom w0.152: 16.36,11.4 12.88,11.4
Net-(CN30-Pad5): length 3.5
  Bottom w0.152: 12.92,18.8 16.4,18.8
Net-(CN30-Pad6): length 3.5
  Bottom w0.152: 12.92,18 16.4,18
Net-(CN30-Pad7): length 3.5
  Bottom w0.152: 12.92,17.2 16.4,17.2
Net-(CN30-Pad8): length 3.5
  Bottom w0.152: 16.4,16.4 12.92,16.4
Net-(CN31-Pad5): length 3.5
  Bottom w0.152: 12.92,24.8 16.4,24.8
Net-(CN31-Pad6): length 3.5
  Bottom w0.152: 12.92,24 16.4,24
Net-(CN31-Pad7): length 3.5
  Bottom w0.152: 12.92,23.2 16.4,23.2
Net-(CN31-Pad8): length 3.5
  Bottom w0.152: 16.4,22.4 12.92,22.4
Net-(CN32-Pad5): length 3.5
  Bottom w0.152: 12.92,29.8 16.4,29.8
Net-(CN32-Pad6): length 3.5
  Bottom w0.152: 12.92,29 16.4,29
Net-(CN32-Pad7): length 3.5
  Bottom w0.152: 12.92,28.2 16.4,28.2
Net-(CN32-Pad8): length 3.5
  Bottom w0.152: 12.92,27.4 16.4,27.4
Net-(CN33-Pad5): length 3.5
  Bottom w0.152: 12.92,35.8 16.4,35.8
Net-(CN33-Pad6): length 3.5
  Bottom w0.152: 12.92,35 16.4,35
Net-(CN33-Pad7): length 3.5
  Bottom w0.152: 12.92,34.2 16.4,34.2
Net-(CN33-Pad8): length 3.5
  Bottom w0.152: 16.4,33.4 12.92,33.4
Net-(CN34-Pad5): length 3.5
  Bottom w0.152: 12.92,40.8 16.4,40.8
Net-(CN34-Pad6): length 3.5
  Bottom w0.152: 12.92,40 16.4,40
Net-(CN34-Pad7): length 3.5
  Bottom w0.152: 12.92,39.2 16.4,39.2
Net-(CN34-Pad8): length 3.5
  Bottom w0.152: 16.4,38.4 12.92,38.4
Net-(CN35-Pad5): length 3.5
  Bottom w0.152: CN35.5 RN35.4
Net-(CN35-Pad6): length 3.5
  Bottom w0.152: CN35.6 RN35.3
Net-(CN35-Pad7): length 3.5
  Bottom w0.152: CN35.7 RN35.2
Net-(CN35-Pad8): length 3.5
  Bottom w0.152: RN35.1 CN35.8
Net-(CN36-Pad5): length 3.5
  Bottom w0.152: 12.92,53.4 16.4,53.4
Net-(CN36-Pad6): length 3.5
  Bottom w0.152: 12.92,52.6 16.4,52.6
Net-(CN36-Pad7): length 3.5
  Bottom w0.152: 12.92,51.8 16.4,51.8
Net-(CN36-Pad8): length 3.5
  Bottom w0.152: 12.92,51 16.4,51
Net-(CN37-Pad5): length 3.5
  Bottom w0.152: 12.92,59.4 16.4,59.4
Net-(CN37-Pad6): length 3.5
  Bottom w0.152: 12.92,58.6 16.4,58.6
Net-(CN37-Pad7): length 3.5
  Bottom w0.152: 12.92,57.8 16.4,57.8
Net-(CN37-Pad8): length 3.5
  Bottom w0.152: 12.92,57 16.4,57
Net-(CN38-Pad5): length 3.5
  Bottom w0.152: 12.92,63.8 16.4,63.8
Net-(CN38-Pad6): length 3.5
  Bottom w0.152: 12.92,63 16.4,63
Net-(CN38-Pad7): length 3.5
  Bottom w0.152: 12.92,62.2 16.4,62.2
Net-(CN38-Pad8): length 3.5
  Bottom w0.152: 12.92,61.4 16.4,61.4
Net-(CN39-Pad5): length 3.5
  Top w0.152: RN39.4 CN39.5
Net-(CN39-Pad6): length 3.5
  Top w0.152: CN39.6 RN39.3
Net-(CN39-Pad7): length 3.5
  Top w0.152: RN39.2 CN39.7
Net-(CN39-Pad8): length 3.5
  Top w0.152: RN39.1 CN39.8
Net-(CN40-Pad5): length 3.5
  Top w0.152: RN40.4 CN40.5
Net-(CN40-Pad6): length 3.5
  Top w0.152: CN40.6 RN40.3
Net-(CN40-Pad7): length 3.5
  Top w0.152: RN40.2 CN40.7
Net-(CN40-Pad8): length 3.5
  Top w0.152: RN40.1 CN40.8
Net-(CN41-Pad5): length 3.5
  Top w0.152: RN41.4 CN41.5
Net-(CN41-Pad6): length 3.5
  Top w0.152: CN41.6 RN41.3
Net-(CN41-Pad7): length 3.5
  Top w0.152: RN41.2 CN41.7
Net-(CN41-Pad8): length 3.5
  Top w0.152: CN41.8 RN41.1
Net-(CN42-Pad5): length 3.5
  Top w0.152: RN42.4 CN42.5
Net-(CN42-Pad6): length 3.5
  Top w0.152: CN42.6 RN42.3
Net-(CN42-Pad7): length 3.5
  Top w0.152: RN42.2 CN42.7
Net-(CN42-Pad8): length 3.5
  Top w0.152: CN42.8 RN42.1
Net-(CN43-Pad5): length 3.5
  Top w0.152: RN43.4 CN43.5
Net-(CN43-Pad6): length 3.5
  Top w0.152: CN43.6 RN43.3
Net-(CN43-Pad7): length 3.5
  Top w0.152: RN43.2 CN43.7
Net-(CN43-Pad8): length 3.5
  Top w0.152: RN43.1 CN43.8
Net-(CN44-Pad5): length 3.5
  Top w0.152: RN44.4 CN44.5
Net-(CN44-Pad6): length 3.5
  Top w0.152: CN44.6 RN44.3
Net-(CN44-Pad7): length 3.5
  Top w0.152: RN44.2 CN44.7
Net-(CN44-Pad8): length 3.5
  Top w0.152: CN44.8 RN44.1
Net-(CN45-Pad5): length 3.5
  Top w0.152: RN45.4 CN45.5
Net-(CN45-Pad6): length 3.5
  Top w0.152: CN45.6 RN45.3
Net-(CN45-Pad7): length 3.5
  Top w0.152: RN45.2 CN45.7
Net-(CN45-Pad8): length 3.5
  Top w0.152: RN45.1 CN45.8
Net-(CN46-Pad5): length 3.5
  Top w0.152: RN46.4 CN46.5
Net-(CN46-Pad6): length 3.5
  Top w0.152: CN46.6 RN46.3
Net-(CN46-Pad7): length 3.5
  Top w0.152: RN46.2 CN46.7
Net-(CN46-Pad8): length 3.5
  Top w0.152: RN46.1 CN46.8
Net-(CN47-Pad5): length 3.5
  Top w0.152: RN47.4 CN47.5
Net-(CN47-Pad6): length 3.5
  Top w0.152: CN47.6 RN47.3
Net-(CN47-Pad7): length 3.5
  Top w0.152: RN47.2 CN47.7
Net-(CN47-Pad8): length 3.5
  Top w0.152: RN47.1 CN47.8
Net-(CN48-Pad5): length 3.5
  Top w0.152: RN48.4 CN48.5
Net-(CN48-Pad6): length 3.5
  Top w0.152: CN48.6 RN48.3
Net-(CN48-Pad7): length 3.5
  Top w0.152: RN48.2 CN48.7
Net-(CN48-Pad8): length 3.5
  Top w0.152: RN48.1 CN48.8
Net-(CN49-Pad5): length 3.5
  Top w0.152: RN49.4 CN49.5
Net-(CN49-Pad6): length 3.5
  Top w0.152: CN49.6 RN49.3
Net-(CN49-Pad7): length 3.5
  Top w0.152: RN49.2 CN49.7
Net-(CN49-Pad8): length 3.5
  Top w0.152: RN49.1 CN49.8
Net-(CN50-Pad5): length 3.5
  Top w0.152: CN50.5 RN50.4
Net-(CN50-Pad6): length 3.5
  Top w0.152: RN50.3 CN50.6
Net-(CN50-Pad7): length 3.5
  Top w0.152: RN50.2 CN50.7
Net-(CN50-Pad8): length 3.5
  Top w0.152: CN50.8 RN50.1
Net-(CN51-Pad5): length 3.5
  Top w0.152: RN51.4 CN51.5
Net-(CN51-Pad6): length 3.5
  Top w0.152: CN51.6 RN51.3
Net-(CN51-Pad7): length 3.5
  Top w0.152: RN51.2 CN51.7
Net-(CN51-Pad8): length 3.5
  Top w0.152: CN51.8 RN51.1
Net-(CN52-Pad5): length 3.5
  Top w0.152: RN52.4 CN52.5
Net-(CN52-Pad6): length 3.5
  Top w0.152: CN52.6 RN52.3
Net-(CN52-Pad7): length 3.5
  Top w0.152: RN52.2 CN52.7
Net-(CN52-Pad8): length 3.5
  Top w0.152: CN52.8 RN52.1
Net-(CN53-Pad5): length 3.5
  Top w0.152: RN53.4 CN53.5
Net-(CN53-Pad6): length 3.5
  Top w0.152: CN53.6 RN53.3
Net-(CN53-Pad7): length 3.5
  Top w0.152: RN53.2 CN53.7
Net-(CN53-Pad8): length 3.5
  Top w0.152: RN53.1 CN53.8
Net-(CN54-Pad5): length 3.5
  Top w0.152: RN54.4 CN54.5
Net-(CN54-Pad6): length 3.5
  Top w0.152: CN54.6 RN54.3
Net-(CN54-Pad7): length 3.5
  Top w0.152: RN54.2 CN54.7
Net-(CN54-Pad8): length 3.5
  Top w0.152: CN54.8 RN54.1
Net-(CN55-Pad5): length 3.5
  Top w0.152: RN55.4 CN55.5
Net-(CN55-Pad6): length 3.5
  Top w0.152: CN55.6 RN55.3
Net-(CN55-Pad7): length 3.5
  Top w0.152: RN55.2 CN55.7
Net-(CN55-Pad8): length 3.5
  Top w0.152: RN55.1 CN55.8
Net-(CN56-Pad5): length 3.5
  Top w0.152: RN56.4 CN56.5
Net-(CN56-Pad6): length 3.5
  Top w0.152: CN56.6 RN56.3
Net-(CN56-Pad7): length 3.5
  Top w0.152: RN56.2 CN56.7
Net-(CN56-Pad8): length 3.5
  Top w0.152: RN56.1 CN56.8
Net-(CN57-Pad5): length 3.5
  Top w0.152: RN57.4 CN57.5
Net-(CN57-Pad6): length 3.5
  Top w0.152: CN57.6 RN57.3
Net-(CN57-Pad7): length 3.5
  Top w0.152: RN57.2 CN57.7
Net-(CN57-Pad8): length 3.5
  Top w0.152: RN57.1 CN57.8
Net-(CN58-Pad5): length 3.5
  Bottom w0.152: CN58.5 RN58.4
Net-(CN58-Pad6): length 3.5
  Bottom w0.152: RN58.3 CN58.6
Net-(CN58-Pad7): length 3.5
  Bottom w0.152: CN58.7 RN58.2
Net-(CN58-Pad8): length 3.5
  Bottom w0.152: RN58.1 CN58.8
Net-(CN59-Pad5): length 3.5
  Bottom w0.152: CN59.5 RN59.4
Net-(CN59-Pad6): length 3.5
  Bottom w0.152: RN59.3 CN59.6
Net-(CN59-Pad7): length 3.5
  Bottom w0.152: CN59.7 RN59.2
Net-(CN59-Pad8): length 3.5
  Bottom w0.152: RN59.1 CN59.8
Net-(CN60-Pad5): length 3.5
  Bottom w0.152: CN60.5 RN60.4
Net-(CN60-Pad6): length 3.5
  Bottom w0.152: RN60.3 CN60.6
Net-(CN60-Pad7): length 3.5
  Bottom w0.152: CN60.7 RN60.2
Net-(CN60-Pad8): length 3.5
  Bottom w0.152: RN60.1 CN60.8
Net-(CN61-Pad5): length 3.5
  Bottom w0.152: CN61.5 RN61.4
Net-(CN61-Pad6): length 3.5
  Bottom w0.152: RN61.3 CN61.6
Net-(CN61-Pad7): length 3.5
  Bottom w0.152: CN61.7 RN61.2
Net-(CN61-Pad8): length 3.5
  Bottom w0.152: RN61.1 CN61.8
Net-(CN62-Pad5): length 3.5
  Bottom w0.152: RN62.4 CN62.5
Net-(CN62-Pad6): length 3.5
  Bottom w0.152: RN62.3 CN62.6
Net-(CN62-Pad7): length 3.5
  Bottom w0.152: CN62.7 RN62.2
Net-(CN62-Pad8): length 3.5
  Bottom w0.152: RN62.1 CN62.8
Net-(CN63-Pad5): length 3.5
  Bottom w0.152: RN63.4 CN63.5
Net-(CN63-Pad6): length 3.5
  Bottom w0.152: RN63.3 CN63.6
Net-(CN63-Pad7): length 3.5
  Bottom w0.152: CN63.7 RN63.2
Net-(CN63-Pad8): length 3.5
  Bottom w0.152: RN63.1 CN63.8
Net-(CN64-Pad5): length 3.5
  Bottom w0.152: CN64.5 RN64.4
Net-(CN64-Pad6): length 3.5
  Bottom w0.152: RN64.3 CN64.6
Net-(CN64-Pad7): length 3.5
  Bottom w0.152: CN64.7 RN64.2
Net-(CN64-Pad8): length 3.5
  Bottom w0.152: RN64.1 CN64.8
Net-(CN65-Pad5): length 3.5
  Bottom w0.152: RN65.4 CN65.5
Net-(CN65-Pad6): length 3.5
  Bottom w0.152: RN65.3 CN65.6
Net-(CN65-Pad7): length 3.5
  Bottom w0.152: CN65.7 RN65.2
Net-(CN65-Pad8): length 3.5
  Bottom w0.152: RN65.1 CN65.8
Net-(CN66-Pad5): length 3.5
  Bottom w0.152: RN66.4 CN66.5
Net-(CN66-Pad6): length 3.5
  Bottom w0.152: RN66.3 CN66.6
Net-(CN66-Pad7): length 3.5
  Bottom w0.152: CN66.7 RN66.2
Net-(CN66-Pad8): length 3.5
  Bottom w0.152: RN66.1 CN66.8
Net-(CN67-Pad5): length 3.5
  Bottom w0.152: CN67.5 RN67.4
Net-(CN67-Pad6): length 3.5
  Bottom w0.152: RN67.3 CN67.6
Net-(CN67-Pad7): length 3.5
  Bottom w0.152: CN67.7 RN67.2
Net-(CN67-Pad8): length 3.5
  Bottom w0.152: RN67.1 CN67.8
Net-(CN68-Pad5): length 3.5
  Bottom w0.152: CN68.5 RN68.4
Net-(CN68-Pad6): length 3.5
  Bottom w0.152: RN68.3 CN68.6
Net-(CN68-Pad7): length 3.5
  Bottom w0.152: CN68.7 RN68.2
Net-(CN68-Pad8): length 3.5
  Bottom w0.152: RN68.1 CN68.8
Net-(CN69-Pad5): length 3.5
  Bottom w0.152: RN69.4 CN69.5
Net-(CN69-Pad6): length 3.5
  Bottom w0.152: RN69.3 CN69.6
Net-(CN69-Pad7): length 3.5
  Bottom w0.152: RN69.2 CN69.7
Net-(CN69-Pad8): length 3.5
  Bottom w0.152: RN69.1 CN69.8
Net-(CN70-Pad5): length 3.5
  Bottom w0.152: CN70.5 RN70.4
Net-(CN70-Pad6): length 3.5
  Bottom w0.152: RN70.3 CN70.6
Net-(CN70-Pad7): length 3.5
  Bottom w0.152: CN70.7 RN70.2
Net-(CN70-Pad8): length 3.5
  Bottom w0.152: RN70.1 CN70.8
Net-(CN71-Pad5): length 3.5
  Bottom w0.152: CN71.5 RN71.4
Net-(CN71-Pad6): length 3.5
  Bottom w0.152: RN71.3 CN71.6
Net-(CN71-Pad7): length 3.5
  Bottom w0.152: CN71.7 RN71.2
Net-(CN71-Pad8): length 3.5
  Bottom w0.152: RN71.1 CN71.8
Net-(CN72-Pad5): length 3.5
  Bottom w0.152: RN72.4 CN72.5
Net-(CN72-Pad6): length 3.5
  Bottom w0.152: RN72.3 CN72.6
Net-(CN72-Pad7): length 3.5
  Bottom w0.152: CN72.7 RN72.2
Net-(CN72-Pad8): length 3.5
  Bottom w0.152: RN72.1 CN72.8
Net-(CN73-Pad5): length 3.5
  Bottom w0.152: RN73.4 CN73.5
Net-(CN73-Pad6): length 3.5
  Bottom w0.152: RN73.3 CN73.6
Net-(CN73-Pad7): length 3.5
  Bottom w0.152: CN73.7 RN73.2
Net-(CN73-Pad8): length 3.5
  Bottom w0.152: RN73.1 CN73.8
Net-(CN74-Pad5): length 3.5
  Bottom w0.152: RN74.4 CN74.5
Net-(CN74-Pad6): length 3.5
  Bottom w0.152: RN74.3 CN74.6
Net-(CN74-Pad7): length 3.5
  Bottom w0.152: CN74.7 RN74.2
Net-(CN74-Pad8): length 3.5
  Bottom w0.152: RN74.1 CN74.8
Net-(CN75-Pad5): length 3.5
  Bottom w0.152: RN75.4 CN75.5
Net-(CN75-Pad6): length 3.5
  Bottom w0.152: RN75.3 CN75.6
Net-(CN75-Pad7): length 3.5
  Bottom w0.152: CN75.7 RN75.2
Net-(CN75-Pad8): length 3.5
  Bottom w0.152: RN75.1 CN75.8
Net-(CN76-Pad5): length 3.5
  Bottom w0.152: RN76.4 CN76.5
Net-(CN76-Pad6): length 3.5
  Bottom w0.152: RN76.3 CN76.6
Net-(CN76-Pad7): length 3.5
  Bottom w0.152: CN76.7 RN76.2
Net-(CN76-Pad8): length 3.5
  Bottom w0.152: RN76.1 CN76.8

## Copper pours and planes (outline as drawn; the poured copper is in the pictures)
GND on Gnd2.Cu: -2,138 222,138 221,-3 -2,-3
VCC on Vcc3.Cu: -2,138 222,138 221,-3 -2,-3

## Text on the board
F.SilkS: LMARV-1 BACKPLANE | REV B  2018 JUL 7 | 0 | 1 | 2 | 3 | 4 | 5 | 6 | 7 | 8 | 9 | 10 | 11
